# Altium PCB LaserControlBoard (bottom).PcbDoc (part 3 of 3)
Units mm, origin at the board's own origin, x right, y up, seen from the top; angles counter-clockwise.
Board outline 192.5 x 156.5 mm, 2 copper layers (Top Layer, Bottom Layer); 42 components, 313 nets, 114 pads, 1616 vias.
Unrouted connection lines stored in the file: 16.
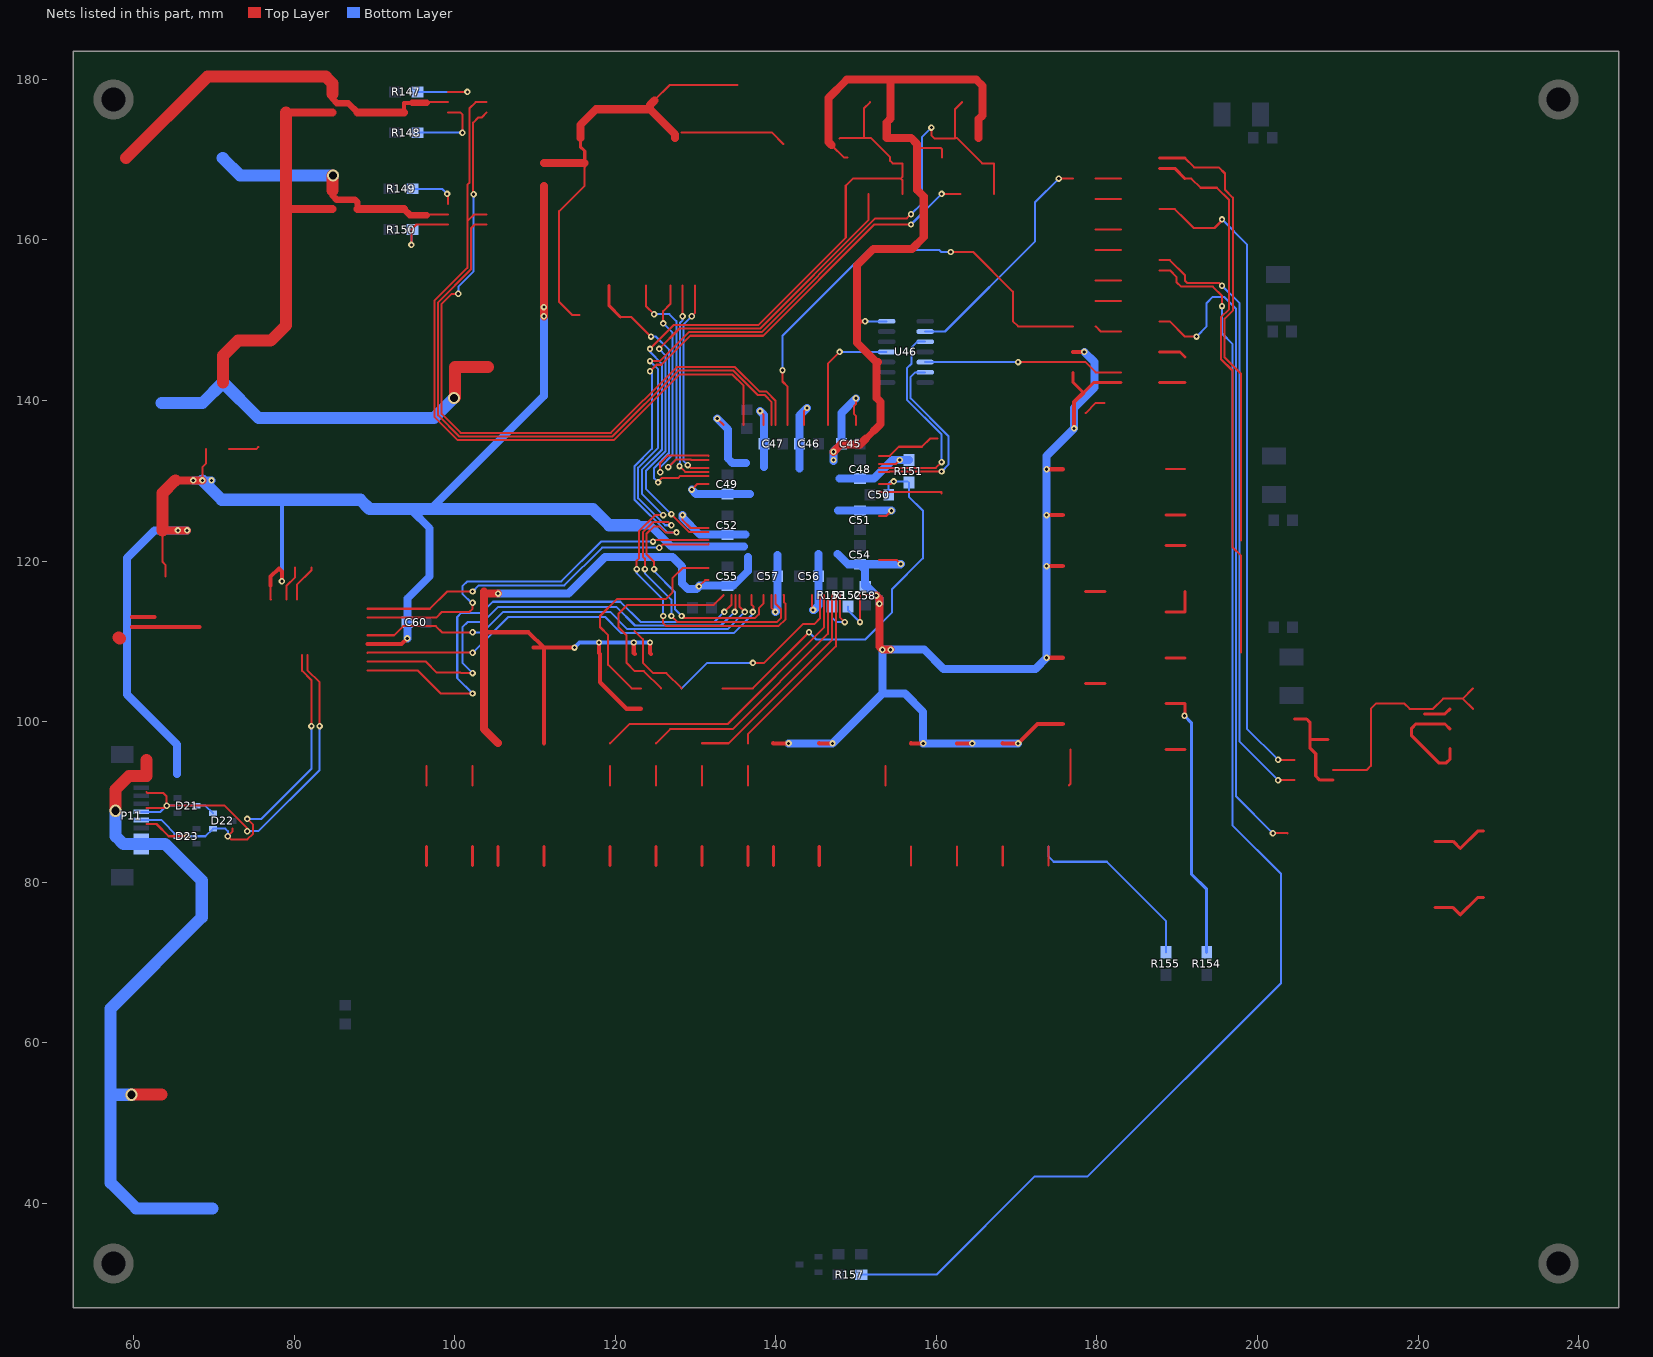
[diagram p3: the nets of this part, all layers, seen from the top]

## Via types
v1: diameter 0.8, hole 0.4, Top Layer to Bottom Layer, tented both sides, 1606 vias
v2: diameter 1.5, hole 1, Top Layer to Bottom Layer, 6 vias
v3: diameter 3, hole 2, Top Layer to Bottom Layer, 2 vias
v4: diameter 0.8, hole 0.4, Top Layer to Bottom Layer, 2 vias

## Nets (pads, with @x,y where several pads share a name; then routed paths per layer and width w, separated by ;. In a path a pad name is that pad's centre, name@x,y a point inside that pad or via, vN(x,y) a via of type N, cw(c..) or ccw(c..) an arc to the next point about the centre after c; other vN are vias at no path point) (continued)
NetR14_1:  | length 56.3
  Top Layer w0.254: 190.98,170.18 192.123,169.037 195.199,169.037 195.961,168.275 195.961,166.243 196.928,165.276 196.928,151.201 195.907,150.18 195.907,145.36 197.965,143.302 197.965,122.555
  Top Layer w0.384: 187.82,170.18 190.98,170.18
NetR16_1: U46.2 | length 29.1
  Top Layer w0.254: v1(175.26,167.64) 177.01,167.64
  Bottom Layer w0.254: U46.2@158.61,148.59 161.083,148.59 172.285,159.792 172.285,164.665 v1(175.26,167.64)
NetR16_2:  | length 3.2
  Top Layer w0.254: 179.86,167.64 183.02,167.64
NetR17_1:  | length 68.1
  Top Layer w0.254: 190.98,167.64 191.77,167.64 192.913,166.497 194.945,166.497 196.474,164.968 196.474,151.389 195.453,150.368 195.453,145.172 196.888,143.737 196.888,121.745 197.965,120.668 197.965,108.585
  Top Layer w0.384: 187.82,168.91 189.71,168.91 190.98,167.64
NetR19_1:  | length 3.2
  Top Layer w0.254: 179.86,165.1 183.02,165.1
NetR20_1:  | length 81.5
  Top Layer w0.254: 187.82,163.83 189.71,163.83 190.98,162.56 192.05,161.49 194.647,161.49 195.58,162.423 v1(195.58,162.56) ; v1(202.565,95.25) 204.61,95.25
  Bottom Layer w0.254: v1(195.58,162.56) 198.685,159.455 198.685,99.13 v1(202.565,95.25)
NetR21_1:  | length 3.2
  Top Layer w0.254: 179.86,161.29 183.02,161.29
NetR23_1:  | length 3.2
  Top Layer w0.254: 179.86,158.75 183.02,158.75
NetR24_1:  | length 76
  Top Layer w0.254: 187.82,157.48 189.075,157.48 190.98,155.575 190.98,154.914 191.262,154.632 195.253,154.632 v1(195.58,154.305) ; v1(202.565,92.71) 204.61,92.71
  Bottom Layer w0.254: v1(195.58,154.305) 197.777,152.108 197.777,97.498 v1(202.565,92.71)
NetR25_1:  | length 3.2
  Top Layer w0.254: 179.86,154.94 183.02,154.94
NetR26_1:  | length 3.2
  Top Layer w0.254: 179.86,152.4 183.02,152.4
NetR30_1:  | length 3.4
  Top Layer w0.254: 179.86,149.225 180.495,148.59 183.02,148.59
NetR33_1:  | length 3.4
  Top Layer w0.384: 187.82,146.05 190.345,146.05 190.98,145.415
NetR35_1: U46.5 | length 24.9
  Top Layer w0.254: v1(170.18,144.78) 178.59,144.78 179.86,143.51 183.02,143.51
  Bottom Layer w0.254: U46.5@158.61,144.78 v1(170.18,144.78)
NetR37_2:  | length 3.2
  Top Layer w0.384: 187.82,142.24 190.98,142.24
NetR38_1:  | length 2.9
  Top Layer w0.254: 178.59,138.43 179.86,139.7 180.975,139.7
NetR40_1:  | length 8.2
  Top Layer w0.254: 152.84,133.115 154.204,133.115 155.328,134.239 158.196,134.239 159.212,135.255 160.175,135.255
NetR41_1:  | length 3.8
  Top Layer w0.254: 71.91,133.985 75.335,133.985 75.565,134.215
NetR44_1:  | length 2.4
  Top Layer w0.254: 188.595,131.445 190.98,131.445
NetR45_1:  | length 8
  Top Layer w0.254: 152.84,128.615 152.863,128.592 160.655,128.592 160.655,128.425
NetR48_1:  | length 2.4
  Top Layer w0.384: 188.595,125.73 190.98,125.73
NetR50_2:  | length 4.5
  Top Layer w0.254: 79.05,115.21 79.05,116.896 80.137,117.983 80.137,119.225
NetR51_1:  | length 4.8
  Top Layer w0.254: 80.35,115.21 80.35,117.053 82.169,118.872 82.169,119.225
NetR52_2:  | length 2.4
  Top Layer w0.384: 188.595,121.92 190.98,121.92
NetR58_1:  | length 2.4
  Top Layer w0.384: 178.59,116.205 180.975,116.205
NetR59_2:  | length 4.9
  Top Layer w0.384: 188.595,113.665 190.98,113.665 190.98,116.205
NetR70_1:  | length 11.4
  Top Layer w0.5: 59.817,111.76 62.605,111.76 68.205,111.76 ; 59.817,113.03 62.605,113.03
  Top Layer w1.5: 58.166,110.49 58.293,110.363
NetR73_1:  | length 2.4
  Top Layer w0.384: 188.595,107.95 190.98,107.95
NetR75_1:  | length 2.4
  Top Layer w0.384: 178.59,104.775 180.975,104.775
NetR76_1:  | length 28.1
  Top Layer w0.254: 209.41,93.98 213.614,93.98 214.122,94.488 214.122,101.6 214.757,102.235 216.09,102.235 218.313,102.235 218.948,101.6 221.869,101.6 223.139,102.87 225.58,102.87 ; 226.85,101.6 225.58,102.87 ; 226.85,104.14 225.58,102.87
NetR81_2: R154.2 | length 34.6
  Top Layer w0.384: 188.595,102.235 190.98,102.235 190.98,100.739 v1(190.909,100.739)
  Bottom Layer w0.384: v1(190.909,100.739) 191.77,99.878 191.77,81.026 193.675,79.121 R154.2@193.675,71.275
NetR82_1:  | length 3.5
  Top Layer w0.384: 220.79,100.965 223.365,100.965 224,101.6
NetR84_2:  | length 13.9
  Top Layer w0.384: 224,96.647 224,95.349 223.52,94.869 222.568,94.869 219.202,98.235 219.202,99.187 219.71,99.695 220.79,99.695 223.365,99.695 224,99.06
NetR87_1:  | length 2.4
  Top Layer w0.254: 96.519,92.075 96.519,94.46
NetR88_1:  | length 2.4
  Top Layer w0.254: 102.235,92.075 102.235,94.46
NetR91_1:  | length 2.4
  Top Layer w0.254: 119.379,92.075 119.379,94.46
NetR92_1:  | length 2.4
  Top Layer w0.254: 125.094,92.075 125.094,94.46
NetR93_1:  | length 2.4
  Top Layer w0.254: 130.809,92.075 130.809,94.46
NetR94_1:  | length 2.4
  Top Layer w0.254: 136.524,92.075 136.524,94.46
NetR97_1:  | length 2.4
  Top Layer w0.254: 153.67,92.075 153.67,94.46
NetR102_1:  | length 4.5
  Top Layer w0.254: 176.53,92.075 176.685,92.23 176.685,96.52
NetR103_1:  | length 2.4
  Top Layer w0.381: 188.595,96.52 190.98,96.52
NetR104_1:  | length 7.3
  Top Layer w0.384: 222.11,85.09 224.381,85.09 225.27,84.201 227.429,86.36 228.12,86.36
NetR106_1:  | length 2.4
  Top Layer w0.384: 96.519,82.07 96.519,84.455
NetR107_1:  | length 2.4
  Top Layer w0.384: 102.235,82.07 102.235,84.455
NetR108_1:  | length 2.4
  Top Layer w0.384: 105.409,82.07 105.409,84.455
NetR109_1:  | length 2.4
  Top Layer w0.384: 111.125,82.07 111.125,84.455
NetR110_1:  | length 2.4
  Top Layer w0.384: 119.379,82.07 119.379,84.455
NetR111_1:  | length 2.4
  Top Layer w0.384: 125.094,82.07 125.094,84.455
NetR112_1:  | length 2.4
  Top Layer w0.384: 130.809,82.07 130.809,84.455
NetR113_1:  | length 2.4
  Top Layer w0.384: 136.524,82.07 136.524,84.455
NetR114_1:  | length 2.4
  Top Layer w0.384: 139.7,82.07 139.7,84.455
NetR115_1:  | length 2.4
  Top Layer w0.384: 145.415,82.07 145.415,84.455
NetR117_1:  | length 2.4
  Top Layer w0.254: 156.845,82.07 156.845,84.455
NetR118_1:  | length 2.4
  Top Layer w0.254: 162.56,82.07 162.56,84.455
NetR119_1:  | length 2.4
  Top Layer w0.254: 168.275,82.07 168.275,84.455
NetR120_2: R155.2 | length 25.5
  Top Layer w0.254: 173.99,82.07 173.99,84.455
  Bottom Layer w0.254: 173.99,84.455 173.99,83.185 174.625,82.55 181.229,82.55 188.595,75.184 R155.2@188.595,71.275
NetR121_1:  | length 7.3
  Top Layer w0.384: 222.11,76.835 224.381,76.835 225.27,75.946 227.429,78.105 228.12,78.105
NetR147_1: R147.1 | length 8.6
  Top Layer w0.254: 99.2,178.435 v1(101.6,178.435)
  Bottom Layer w0.254: R147.1@95.405,178.435 v1(101.6,178.435)
NetR148_1: R148.1 | length 9.7
  Top Layer w0.254: 99.2,175.895 100.711,175.895 100.965,175.641 v1(100.965,173.355)
  Bottom Layer w0.254: R148.1@95.405,173.355 v1(100.965,173.355)
NetR149_2: R149.2 | length 5.9
  Top Layer w0.254: v1(99.06,165.735) 99.2,165.595 99.2,164.465
  Bottom Layer w0.254: R149.2@94.77,166.37 98.425,166.37 v1(99.06,165.735)
NetR150_2: R150.2 | length 8.7
  Top Layer w0.254: v1(94.615,159.385) 94.615,161.29 95.25,161.925 99.2,161.925
  Bottom Layer w0.254: v1(94.615,159.385) 94.615,161.135 R150.2@94.77,161.29
NetR152_2: R152.2 | length 5.9
  Top Layer w0.254: 150.49,115.765 150.49,112.4 v1(150.495,112.395)
  Bottom Layer w0.254: R152.2@148.99,114.34 148.99,113.9 v1(150.495,112.395)
NetR153_2: R153.2 | length 6.8
  Top Layer w0.254: 147.99,115.765 147.99,112.995 v1(148.59,112.395)
  Bottom Layer w0.254: R153.2@146.99,114.34 146.99,112.979 147.574,112.395 v1(148.59,112.395)
NetR157_1: R157.1 | length 165.4
  Top Layer w0.254: 187.82,156.21 189.103,156.21 189.903,155.41 189.903,154.765 190.49,154.178 194.437,154.178 195.58,153.035 v1(195.58,151.765)
  Bottom Layer w0.254: R157.1@150.65,31.115 160.02,31.115 172.257,43.352 178.856,43.352 202.946,67.442 202.946,81.026 196.869,87.103 196.869,147.054 195.58,148.343 v1(195.58,151.765)
"NOT FUSED 5V": P11.1 P11.2 P11.3 | length 88.1
  Top Layer w1.5: v2(57.785,88.9) 57.785,91.567 59.468,93.25 61.595,93.25 61.595,95.25 ; v2(59.749,53.526) 59.749,53.535 63.5,53.535
  Bottom Layer w1.5: v2(57.785,88.9) 57.785,85.725 58.745,84.765 P11.2@60.96,84.765 63.952,84.765 68.505,80.212 68.505,75.617 57.15,64.262 57.15,53.594 ; v2(59.749,53.526) 57.218,53.526 57.15,53.594 ; 69.85,39.37 60.325,39.37 57.15,42.545 57.15,53.594
NRESET: C50.1 R151.2 | length 49.8
  Top Layer w0.254: 133.35,104.14 137.16,104.14 v1(144.145,111.125) ; 152.84,129.615 154.38,129.615 v1(154.686,129.921)
  Bottom Layer w0.254: v1(144.145,111.125) 145.034,110.236 151.13,110.236 154.505,113.611 154.505,114.702 154.502,114.705 154.502,116.522 158.315,120.335 158.315,126.299 156.591,128.023 R151.2@156.591,129.766 ; C50.1@154.015,128.615 154.015,129.615 154.321,129.921 v1(154.686,129.921) R151.2@156.436,129.921
PELTIER: U46.11 | length 15.5
  Top Layer w0.254: 146.49,136.965 146.49,143.142 146.49,144.585 v1(147.955,146.05)
  Bottom Layer w0.254: v1(147.955,146.05) U46.11@153.81,146.05
REF2.5V:  | length 13.7
  Top Layer w0.384: 204.61,100.33 206.121,100.33 206.53,99.921 206.53,97.79 ; 208.76,97.79 206.53,97.79 ; 209.41,92.71 207.772,92.71 207.264,93.218 207.264,96.012 206.53,96.746 206.53,97.79
RELAY1:  | length 36.6
  Top Layer w0.254: 119.379,97.31 121.764,99.695 133.985,99.695 145.99,111.7 145.99,115.765
RELAY2:  | length 31.9
  Top Layer w0.254: 125.094,97.31 126.844,99.06 134.62,99.06 146.49,110.93 146.49,115.765
RELAY3:  | length 27.1
  Top Layer w0.254: 130.809,97.31 134.14,97.31 146.99,110.16 146.99,115.765
RELAY4:  | length 23
  Top Layer w0.254: 136.524,97.31 136.524,98.424 147.49,109.39 147.49,115.765
RS232_DWIN_RX: D21.3 D22.2 P11.6 | length 55
  Top Layer w0.254: 61.595,89.25 63.85,89.25 v1(64.135,89.535) ; 61.595,91.25 61.732,91.113 63.7,91.113 64.135,90.678 v1(64.135,89.535) ; v1(74.168,86.36) 74.168,86.732 72.32,88.58 71.365,89.535 65.475,89.535 v1(64.135,89.535) ; 81.65,108.31 81.65,106.426 83.185,104.891 v1(83.185,99.441)
  Bottom Layer w0.254: P11.6@60.96,88.765 63.365,88.765 v1(64.135,89.535) D21.3@67.875,89.535 68.965,89.535 D22.2@69.92,88.58 ; v1(74.168,86.36) 75.565,86.36 83.185,93.98 v1(83.185,99.441)
RS232_DWIN_TX: D22.1 D23.3 P11.5 | length 50.7
  Top Layer w0.254: 61.595,87.25 62.864,87.25 64.389,85.725 65.475,85.725 v1(66.675,85.725) ; 72.32,86.68 72.32,86.29 v1(71.755,85.725) 72.136,85.344 74.18,85.344 74.895,86.059 74.895,87.157 v1(74.168,87.884) ; 81,108.31 81,106.325 82.169,105.156 v1(82.169,99.441)
  Bottom Layer w0.254: P11.5@60.96,87.765 63.435,87.765 D23.3@65.475,85.725 v1(66.675,85.725) 68.965,85.725 D22.1@69.92,86.68 71.435,86.68 71.755,86.36 v1(71.755,85.725) ; v1(74.168,87.884) 75.946,87.884 82.169,94.107 v1(82.169,99.441)
SDIO_CK:  | length 53
  Top Layer w0.254: 89.126,110.762 92.474,110.762 93.599,111.887 97.663,111.887 98.425,111.125 100.81,111.125 v1(102.235,111.125) ; 135.513,115.742 135.49,115.765 135.49,114.319 v1(136.144,113.665)
  Bottom Layer w0.254: v1(102.235,111.125) 103.505,111.125 106.045,113.665 119.38,113.665 121.523,111.522 134.001,111.522 v1(136.144,113.665)
SDIO_CMD:  | length 54.2
  Top Layer w0.254: 89.126,108.562 89.149,108.585 100.81,108.585 v1(102.235,108.585) ; 136.967,115.742 136.99,115.765 136.99,114.554 137.244,114.3 137.244,113.749 v1(137.16,113.665)
  Bottom Layer w0.254: v1(102.235,108.585) 106.68,113.03 118.745,113.03 120.707,111.068 134.817,111.068 137.16,113.411 v1(137.16,113.665)
SDIO_D0:  | length 50
  Top Layer w0.254: 89.126,112.962 97.722,112.962 98.425,113.665 100.81,113.665 101.854,113.665 102.235,114.046 v1(102.235,114.808) ; v1(124.714,122.428) 124.901,122.615 131.64,122.615
  Bottom Layer w0.254: v1(102.235,114.808) 102.108,114.808 100.965,115.951 100.965,116.84 101.6,117.475 113.284,117.475 118.237,122.428 v1(124.714,122.428)
SDIO_D1:  | length 45.8
  Top Layer w0.254: 89.126,114.062 96.917,114.062 99.06,116.205 100.81,116.205 v1(102.235,116.205) ; v1(125.476,121.666) 125.902,122.092 131.617,122.092 131.64,122.115
  Bottom Layer w0.254: v1(102.235,116.205) 102.997,116.967 113.665,116.967 118.364,121.666 v1(125.476,121.666)
SDIO_D2:  | length 62.7
  Top Layer w0.254: 89.126,106.362 95.441,106.362 98.298,103.505 100.81,103.505 v1(102.235,103.505) ; v1(133.604,113.665) 134.49,114.551 134.49,115.765
  Bottom Layer w0.254: v1(102.235,103.505) 100.33,105.41 100.33,113.03 100.838,113.538 103.378,113.538 104.775,114.935 120.65,114.935 123.155,112.43 132.369,112.43 v1(133.604,113.665)
SDIO_D3:  | length 58.7
  Top Layer w0.254: 89.126,107.462 96.441,107.462 97.79,106.113 100.742,106.113 100.81,106.045 v1(102.235,106.045) ; v1(134.874,113.665) 134.967,113.758 134.967,115.742 134.99,115.765
  Bottom Layer w0.254: v1(102.235,106.045) 100.965,107.315 100.965,111.76 101.604,112.399 103.509,112.399 105.41,114.3 120.142,114.3 122.466,111.976 133.185,111.976 v1(134.874,113.665)
SPI2_MISO: U46.6 | length 24
  Top Layer w0.254: 152.84,131.115 154.139,131.115 154.176,131.152 v1(160.655,131.152)
  Bottom Layer w0.254: U46.6@158.61,143.51 157.353,143.51 156.791,142.948 156.791,140.269 161.544,135.516 161.544,132.041 v1(160.655,131.152)
SPI2_MOSI: U46.3 | length 26.4
  Top Layer w0.254: 152.84,131.615 159.936,131.615 v1(160.655,132.334)
  Bottom Layer w0.254: U46.3@158.61,147.32 157.635,147.32 156.929,146.613 156.929,144.61 156.337,144.018 156.337,140.081 160.655,135.763 v1(160.655,132.334)
SPK_OUT1:  | length 48.5
  Top Layer w0.254: 96.52,177.07 96.615,177.165 99.2,177.165
  Top Layer w0.5: 93.705,175.895 93.705,177.07 94.742,177.07
  Top Layer w0.8: 84.815,178.195 84.815,177.567 85.344,177.038 86.762,177.038 87.905,175.895 ; 94.742,177.07 96.52,177.07
  Top Layer w1: 87.905,175.895 93.705,175.895
  Top Layer w1.5: 59.055,170.18 69.215,180.34 83.947,180.34 84.815,179.472 84.815,178.195
SPK_OUT2:  | length 33.1
  Top Layer w0.254: 96.52,163.1 96.615,163.195 99.2,163.195
  Top Layer w0.8: 84.815,166.13 84.815,165.502 85.287,165.03 87.573,165.03 87.905,164.698 87.905,163.83 ; 93.705,163.83 94.435,163.1 96.52,163.1
  Top Layer w1: 87.905,163.83 93.705,163.83
  Top Layer w1.5: 84.815,166.13 84.815,168 v2(84.836,168.021)
  Bottom Layer w1.5: 71.12,170.18 73.279,168.021 v2(84.836,168.021)
SWCLK:  | length 26.2
  Top Layer w0.254: 125.73,104.14 123.571,106.299 122.428,106.299 121.412,107.315 121.412,110.772 120.396,111.788 120.396,113.411 121.539,114.554 132.279,114.554 133.49,115.765
SWDIO:  | length 28.8
  Top Layer w0.254: 123.19,104.14 122.047,104.14 119.126,107.061 119.126,110.772 118.11,111.788 118.11,113.157 120.22,115.267 126.316,115.267 127.127,116.078 127.127,117.863 128.39,119.126 131.629,119.126 131.64,119.115
SWO:  | length 34.2
  Top Layer w0.254: 122.428,111.28 123.444,110.264 123.444,108.331 123.458,108.317 123.458,107.353 124.766,106.045 126.365,106.045 128.27,104.14 ; v1(137.16,107.315) 138.557,107.315 143.383,112.141 144.78,112.141 145.49,112.851 145.49,115.765
  Bottom Layer w0.254: 128.27,104.14 131.445,107.315 v1(137.16,107.315)
TIM1_CH1:  | length 77.7
  Top Layer w0.254: 104,161.925 102.489,161.925 102.041,161.477 102.041,156.335 97.939,152.233 97.939,138.154 100.576,135.517 119.642,135.517 127.835,143.71 134.735,143.71 137.764,140.681 138.604,140.681 139.49,139.795 139.49,136.965
TIM1_CH1N:  | length 91.3
  Top Layer w0.254: v4(100.457,153.289) 99.637,153.289 98.393,152.045 98.393,138.342 100.764,135.971 119.454,135.971 127.647,144.164 134.923,144.164 137.952,141.135 138.792,141.135 139.99,139.937 139.99,136.965 ; v4(102.362,165.681) 102.308,165.735 102.308,174.62 102.94,175.252 103.357,175.252 104,175.895
  Bottom Layer w0.254: v4(100.457,153.289) 100.457,154.178 102.362,156.083 v4(102.362,165.681)
TIM1_CH2: 
TIM1_CH2N: 
TIM1_CH3: 
TIM1_CH3N: 
TIM1_CH4:  | length 94
  Top Layer w0.254: 104,163.195 102.476,163.195 101.587,162.306 ; 104,177.165 102.616,177.165 101.854,176.403 101.854,167.132 101.587,166.865 101.587,162.306 ; 135.99,136.965 135.99,141.813 134.547,143.256 128.023,143.256 119.83,135.063 100.388,135.063 97.485,137.966 97.485,152.422 101.587,156.524 101.587,162.306
USART1_CTS: 
USART1_RTS: 
USART2_CTS: 
USART2_RTS: 
USART2_RX:  | length 128.4
  Top Layer w0.254: v1(123.698,118.999) 123.698,120.3 123.444,120.554 123.444,123.571 124.714,124.841 126.619,124.841 v1(127,124.46) ; v1(124.333,144.907) 125.561,144.907 129.171,148.517 138.237,148.517 152.407,162.687 156.337,162.687 v1(156.845,163.195) ; v1(127,113.157) 127.727,112.43 140.173,112.43 140.681,112.938 140.681,113.966 139.99,114.657 139.99,115.765 ; v1(159.385,173.99) 159.385,173.031 159.766,172.65 162.335,172.65 ; 163.195,177.165 162.335,176.305 162.335,172.65 ; 167.2,165.735 167.2,169.545 165.712,169.545 162.537,172.72 162.405,172.72 162.335,172.65
  Bottom Layer w0.254: v1(123.698,118.999) 123.698,118.491 127,115.189 v1(127,113.157) ; v1(124.333,144.907) 125.349,143.891 125.349,134.112 122.863,131.626 122.863,127.823 126.226,124.46 v1(127,124.46) ; v1(156.845,163.195) 158.242,164.592 158.242,172.847 v1(159.385,173.99)
USART2_TX:  | length 100.8
  Top Layer w0.254: v1(124.333,143.637) 125.149,144.453 125.749,144.453 129.359,148.063 138.425,148.063 152.287,161.925 v1(156.845,161.925) ; v1(124.841,118.999) 124.841,119.888 123.898,120.831 123.898,123.383 124.848,124.333 125.482,124.333 126.244,123.571 v1(127.635,123.571) ; v1(128.27,113.157) 128.512,112.915 137.439,112.915 137.887,113.364 137.887,114.138 138.49,114.741 138.49,115.765 ; v1(160.655,165.735) 163,165.735
  Bottom Layer w0.254: v1(124.333,143.637) 124.568,143.402 124.568,133.973 122.409,131.814 122.409,127.635 126.473,123.571 v1(127.635,123.571) ; v1(124.841,118.999) 124.841,118.745 127.454,116.132 127.454,113.973 v1(128.27,113.157) ; v1(156.845,161.925) v1(160.655,165.735)
USART3_CTS:  | length 25.9
  Top Layer w0.254: v1(129.032,131.949) 129.032,131.953 129.37,131.615 131.64,131.615 ; v1(129.54,150.495) 129.921,150.876 129.921,154.305
  Bottom Layer w0.254: v1(129.032,131.949) 128.524,132.457 128.524,132.793 128.527,132.796 128.527,148.989 128.524,148.992 128.524,149.479 v1(129.54,150.495)
USART3_RTS:  | length 26.7
  Top Layer w0.254: v1(128.016,131.826) 128.727,131.115 131.64,131.115 ; v1(128.397,150.495) 128.397,154.305
  Bottom Layer w0.254: v1(128.016,131.826) 127.889,131.953 127.889,132.08 128.07,132.261 128.07,132.981 128.073,132.984 128.073,148.801 128.07,148.804 128.07,149.667 128.397,149.994 v1(128.397,150.495)
USART3_RX:  | length 31.2
  Top Layer w0.254: 123.825,154.305 123.825,151.765 v1(124.841,150.749) ; v1(126.619,131.699) 127.596,132.676 129.415,132.676 129.476,132.615 131.64,132.615
  Bottom Layer w0.254: v1(124.841,150.749) 126.746,150.749 127.619,149.876 127.619,149.858 127.616,149.855 127.616,148.616 127.619,148.613 127.619,133.172 127.616,133.169 127.616,132.696 v1(126.619,131.699)
USART3_TX:  | length 32.3
  Top Layer w0.254: v1(125.603,131.064) 125.603,132.207 126.526,133.13 131.625,133.13 131.64,133.115 ; v1(125.984,149.606) 125.984,151.13 126.873,152.019 126.873,154.305
  Bottom Layer w0.254: v1(125.603,131.064) 125.603,131.711 127.162,133.27 127.162,133.357 127.165,133.36 127.165,146.52 127.165,148.425 v1(125.984,149.606)
USART6_RX:  | length 121.1
  Top Layer w0.254: v1(122.682,118.999) 122.682,120.058 122.99,120.366 122.99,123.759 124.961,125.73 v1(125.984,125.73) ; v1(124.333,146.431) 127.327,149.425 137.861,149.425 148.717,160.281 148.717,166.751 149.606,167.64 155.575,167.64 ; v1(125.984,113.157) 125.984,112.268 126.365,111.887 140.335,111.887 141.224,112.776 141.224,114.681 141.013,114.892 141.013,115.742 140.99,115.765 ; 147.955,172.65 148.025,172.72 150.975,172.72 ; 151.765,177.165 150.975,176.375 150.975,172.72 ; 155.77,165.735 155.77,167.445 155.575,167.64 ; 150.975,172.72 151.846,172.72 154.251,170.315 154.251,169.853 154.559,169.545 155.77,169.545 155.77,167.835 155.575,167.64
  Bottom Layer w0.254: v1(122.682,118.999) 122.682,118.491 125.984,115.189 v1(125.984,113.157) ; v1(124.333,146.431) 124.333,146.05 125.803,144.58 125.803,133.924 125.8,133.921 125.8,133.834 123.317,131.351 123.317,128.397 v1(125.984,125.73)
USART6_TX:  | length 64.8
  Top Layer w0.254: v1(125.476,146.431) 128.016,148.971 138.049,148.971 151.57,162.492 151.57,165.735 ; v1(127,125.857) 129.242,123.615 131.64,123.615
  Bottom Layer w0.254: v1(125.476,146.431) 126.257,145.65 126.257,133.736 126.254,133.733 126.254,133.646 123.825,131.217 123.825,129.032 v1(127,125.857)
V5V_IMON: 
V5V_VMON: 
VCC: C45.1 C46.1 C47.1 C48.1 C49.1 C51.1 C52.2 C54.1 C55.1 C56.1 C57.1 C58.1 C60.1 R151.1 U46.14 | length 710.8
  Top Layer w0.254: 63.574,127.315 63.635,127.254 ; 63.635,123.825 63.635,119.88 63.98,119.535 63.98,118.11 ; v1(68.58,130.048) 68.58,131.699 69.06,132.179 69.06,133.985 ; 77.075,116.981 77.089,116.967 77.089,115.221 77.1,115.21 ; v1(128.397,125.73) 128.397,125.102 129.384,124.115 131.64,124.115 ; v1(129.54,128.905) 130.25,129.615 131.64,129.615 ; v1(130.429,116.84) 131.204,117.615 131.64,117.615 ; v1(132.715,137.74) 133.49,136.965 ; v1(138.049,138.684) 138.49,138.243 138.49,136.965 ; 139.49,115.765 139.49,114.129 v1(139.954,113.665) ; 143.49,136.965 143.49,138.664 v1(143.891,139.065) ; 144.49,115.765 144.49,114.082 v1(144.653,113.919) ; 146.937,171.829 148.515,170.25 148.905,170.25 ; v1(149.987,140.27) 149.987,139.547 149.718,139.278 149.718,138.362 149.99,138.09 149.99,136.965 ; 150.99,115.765 v1@152.459,115.765 ; 152.84,120.115 155.094,120.115 v1(155.575,119.634) ; 152.84,125.615 153.747,125.615 v1(154.402,126.27) ; 152.84,132.115 154.975,132.115 v1(155.448,132.588) ; 157.607,171.45 160.528,171.45 160.716,171.262 160.716,170.25
  Top Layer w0.384: 111.113,106.795 111.125,106.807 ; 177.01,143.51 177.01,142.3 178.34,140.97 179.61,142.24 183.02,142.24
  Top Layer w0.5: 77.075,116.981 77.075,118.064 78.105,119.094 78.486,118.713 v1(78.486,117.475) ; 89.126,109.662 93.406,109.662 v1(94.107,110.363) ; 109.855,109.208 111.113,109.208 111.125,109.22 ; 150.082,149.86 150.114,149.86 v1(151.13,149.86)
  Top Layer w0.524: 103.66,111.125 109.22,111.125 111.125,109.22 ; 111.125,97.31 111.125,106.807 111.125,109.22 ; v1(114.935,109.22) 111.125,109.22 ; 117.983,108.557 v1(117.983,109.855) ; 118.11,108.43 118.11,104.902 121.412,101.6 123.19,101.6 ; v1(122.301,109.855) 122.301,108.557 122.428,108.43 ; v1(124.333,109.855) 124.333,108.557 124.46,108.43 ; 139.7,97.31 139.728,97.282 v1(141.605,97.282) ; 145.415,97.31 145.443,97.282 v1(147.066,97.282) ; 156.845,97.31 156.873,97.282 v1(158.369,97.282) ; 162.588,97.282 v1(164.465,97.282) ; 168.275,97.31 168.303,97.282 v1(170.18,97.282) 172.593,99.695 175.74,99.695 ; v1(173.736,107.95) 175.74,107.95 ; v1(173.736,119.38) 175.74,119.38 ; v1(173.736,125.73) 175.74,125.73 ; v1(173.736,131.445) 175.74,131.445 ; 177.01,146.05 v1(178.435,146.05) ; v1(177.165,136.525) 177.165,139.795 178.34,140.97
  Top Layer w0.8: 151.257,135.268 152.26,136.271
  Top Layer w1: 63.635,123.825 v1(65.532,123.825) v1(66.675,123.825) ; 65.207,130.048 v1(67.437,130.048) v1(68.58,130.048) ; 103.66,116.205 103.66,113.665 103.66,111.125 103.66,108.585 103.66,106.045 103.66,103.505 103.66,99.059 105.409,97.31 ; 103.914,115.951 v1(105.41,115.951) ; v1(111.125,150.495) v1(111.125,151.638) 111.125,166.723 ; 146.937,171.829 146.558,172.207 146.558,177.673 148.844,179.959 154.305,179.959 ; v1(147.193,133.604) 148.082,134.493 150.482,134.493 151.257,135.268 ; 152.26,136.271 153.035,137.046 153.035,139.835 152.535,140.335 152.535,144.605 152.71,144.78 152.527,144.78 150.114,147.193 150.114,148.336 150.114,149.86 150.114,156.845 152.146,158.877 156.972,158.877 158.435,160.34 158.435,165.415 157.607,166.243 157.607,171.45 157.607,171.958 156.845,172.72 153.825,172.72 153.825,174.653 154.305,175.133 154.305,177.165 154.305,179.959 ; v1(152.527,115.697) 152.908,115.316 v1(152.908,114.681) 152.908,109.347 v1(153.289,108.966) v1(154.305,108.966) ; 165.255,172.72 165.255,175.034 165.735,175.514 165.735,177.165 165.735,179.197 164.973,179.959 154.305,179.959
  Top Layer w1.5: 63.635,123.825 63.635,127.254 63.635,128.476 65.207,130.048
  Bottom Layer w0.254: v1(151.13,149.86) U46.14@153.81,149.86
  Bottom Layer w0.5: v1(78.486,117.475) 78.486,127.254 ; v1@94.107,110.109 v1(94.107,110.363)
  Bottom Layer w0.524: v1(114.935,109.22) 115.57,109.855 v1(117.983,109.855) v1(122.301,109.855) v1(124.333,109.855)
  Bottom Layer w1: 65.405,93.472 65.405,97.155 59.182,103.378 59.182,120.396 62.611,123.825 v1(65.532,123.825) v1(66.675,123.825) ; v1(67.437,130.048) v1(68.58,130.048) v1(69.723,130.048) ; v1(94.107,110.363) 94.107,115.316 96.901,118.11 96.901,124.079 94.615,126.365 ; 97.091,126.555 111.125,140.589 v1(111.125,150.495) v1(111.125,151.638) ; v1(105.41,115.951) 114.173,115.951 118.745,120.523 127.127,120.523 128.34,119.31 128.34,117.232 129.043,116.529 130.118,116.529 v1(130.429,116.84) 130.524,116.935 C55.1@133.985,116.935 134.715,116.935 136.515,118.735 136.515,120.513 ; 122.682,124.46 124.333,124.46 127,121.793 136.017,121.793 ; v1(128.397,125.73) 128.397,125.43 130.542,123.285 C52.2@133.985,123.285 136.239,123.285 ; v1(129.54,128.905) 130.08,128.365 C49.1@133.985,128.365 136.811,128.365 ; v1(132.715,137.74) 134.08,136.375 134.08,132.747 134.62,132.207 136.271,132.207 ; v1(138.049,138.684) 138.525,138.208 C47.1@138.525,134.62 138.525,131.731 ; v1(139.954,113.665) 140.24,113.951 C57.1@140.24,118.11 140.24,120.745 140.208,120.777 ; v1(141.605,97.282) v1(147.066,97.282) 153.289,103.505 ; 142.97,131.54 C46.1@142.97,134.62 142.97,138.144 v1(143.891,139.065) ; v1(144.653,113.919) 144.78,113.919 145.32,114.459 C56.1@145.32,118.11 145.32,120.872 ; v1@147.193,132.461 v1(147.193,132.588) v1(147.193,133.604) 147.193,133.636 C45.1@148.177,134.62 148.177,138.46 v1(149.987,140.27) ; 147.701,120.904 149.003,119.602 C54.1@150.495,119.602 ; 147.733,126.27 C51.1@150.495,126.27 v1(154.402,126.27) ; 147.923,130.27 C48.1@150.495,130.27 152.241,130.27 154.559,132.588 v1(155.448,132.588) 156.563,132.588 R151.1@156.591,132.616 ; v1(152.908,114.681) 152.908,115.316 v1(152.527,115.697) 151.352,116.872 C58.1@151.13,116.872 151.13,118.967 C54.1@150.495,119.602 ; v1(155.575,119.634) 155.543,119.602 C54.1@150.495,119.602 ; v1@170.167,97.269 170.153,97.282 v1(164.465,97.282) v1(158.369,97.282) 158.369,101.219 156.083,103.505 153.289,103.505 ; v1(178.435,146.05) 179.705,144.78 179.705,141.605 177.165,139.065 v1(177.165,136.525) 173.736,133.096 v1(173.736,131.445) v1(173.736,125.73) v1(173.736,119.38) v1(173.736,107.95) 172.339,106.553 160.909,106.553 158.496,108.966 v1(154.305,108.966) v1(153.289,108.966) 153.289,103.505
  Bottom Layer w1.5: v1(68.58,130.048) 70.993,127.635 88.265,127.635 89.408,126.492 117.221,126.492 119.253,124.46 122.682,124.46
VDC:  | length 99.2
  Top Layer w1: 79.015,163.83 84.815,163.83 ; 79.015,175.895 84.815,175.895
  Top Layer w1.5: 71.16,142.24 71.16,145.582 73.025,147.447 77.089,147.447 79.015,149.373 79.015,163.83 79.015,175.895 ; v2(99.949,140.335) 100.02,140.406 100.02,144.145 104.14,144.145
  Bottom Layer w1.5: 63.5,139.7 68.62,139.7 71.16,142.24 75.605,137.795 97.409,137.795 v2(99.949,140.335)
VDD_IMON: 
VDD_VMON: 
VM_CSN:  | length 58.1
  Top Layer w0.254: v1(140.843,143.764) 140.843,142.367 141.49,141.72 141.49,136.965 ; v1(161.798,158.496) 164.592,158.496 169.545,153.543 169.545,149.86 170.18,149.225 177.01,149.225
  Bottom Layer w0.254: v1(140.843,143.764) 140.843,148.078 151.515,158.75 160.354,158.75 160.608,158.496 v1(161.798,158.496)
VMON_NCS:  | length 83.7
  Top Layer w0.254: 187.82,149.86 189.075,149.86 190.98,147.955 v1(192.405,147.955) ; v1(201.93,86.106) 203.724,86.106 203.765,86.065
  Bottom Layer w0.254: v1(192.405,147.955) 193.675,149.225 193.675,152.146 194.437,152.908 195.834,152.908 197.323,151.419 197.323,90.713 v1(201.93,86.106)
WIFI3V3:  | length 72
  Top Layer w0.254: 115.57,150.65 114.653,150.65 113.03,152.273 113.03,163.576 116.205,166.751 116.205,169.175 ; 124.886,177.374 126.823,179.312 130.175,179.312 132.715,179.312 135.255,179.312 ; 128.27,173.355 139.545,173.355 140.97,171.93
  Top Layer w0.384: 115.665,172.72 115.665,171.609 116.205,171.069 116.205,169.175
  Top Layer w1: 111.125,169.573 116.177,169.573 ; 115.665,172.72 115.665,174.339 117.602,176.276 124.33,176.276 ; 124.886,177.374 124.33,176.819 124.33,176.276 ; 127.452,172.72 127.452,173.154 124.33,176.276
WIFI_RST:  | length 36.5
  Top Layer w0.254: 120.65,150.4 122.015,150.4 v1(124.46,147.955) ; v1(125.349,129.794) 125.349,129.921 125.765,130.337 127.851,130.337 128.129,130.615 131.64,130.615
  Top Layer w0.384: 119.253,154.305 119.253,151.797 120.65,150.4
  Bottom Layer w0.254: v1(124.46,147.955) 125.088,147.955 126.711,146.332 126.711,133.548 126.708,133.545 126.708,133.458 124.841,131.591 124.841,130.302 v1(125.349,129.794)
pads on no net: P11.4 P11.7 P11.11 P11.12

## Polygon pours and split planes (outlines as drawn)
IGND on Top Layer "Mechanical 4-No Net" (solid, pour order 20): 80.645,44.45 82.55,42.545 82.55,32.385 85.09,29.845 230.505,29.845 230.505,36.195 234.95,40.64 242.57,40.64 242.57,106.68 241.935,107.315 214.63,107.315 210.82,111.125 210.82,182.88 187.325,182.88 187.325,94.615 178.435,85.725 91.44,85.725 80.645,74.93
GND on Top Layer "Mechanical 2-No Net" (solid, pour order 23): 68.58,60.325 68.58,67.31 77.47,76.2 92.075,90.805 177.165,90.805 182.245,95.885 182.245,182.88 63.5,182.88 63.5,175.895 59.69,172.085 52.705,172.085 52.705,29.21 72.39,29.21 72.39,41.275 69.215,44.45 69.215,59.69
IGND on Bottom Layer "Mechanical 4-No Net 1" (solid, pour order 19): 80.645,44.45 82.55,42.545 82.55,32.385 85.09,29.845 230.505,29.845 230.505,36.195 234.95,40.64 242.57,40.64 242.57,106.68 241.935,107.315 214.63,107.315 210.82,111.125 210.82,182.88 187.325,182.88 187.325,94.615 178.435,85.725 91.44,85.725 80.645,74.93
GND on Bottom Layer "Mechanical 2-No Net 1" (solid, pour order 21): 68.58,60.325 68.58,67.31 77.47,76.2 92.075,90.805 177.165,90.805 182.245,95.885 182.245,182.88 63.5,182.88 63.5,175.895 59.69,172.085 52.705,172.085 52.705,29.21 72.39,29.21 72.39,41.275 69.215,44.45 69.215,59.69

## Keep-outs
Keep-Out Layer:
  the board outline again, w0.254

## Other copper
Top Layer:
  rectangle net GND: 120.65,157.226 131.572,166.116
  rectangle net GND: 113.665,173.99 114.935,175.26
  rectangle net GND: 152.654,168.91 153.924,170.18
  rectangle net GND: 121.92,145.669 123.19,146.939
  rectangle net GND: 120.015,145.669 121.285,146.939
  rectangle net GND: 121.031,132.69 122.936,133.985
  rectangle net GND: 120.777,131.445 122.047,132.715
  rectangle net GND: 63.5,91.44 64.77,92.71
  rectangle net GND: 119.38,99.06 120.65,100.33
  rectangle net GND: 106.045,100.965 107.315,102.235
  rectangle net GND: 100.33,100.965 101.6,102.235
  rectangle net GND: 99.06,95.885 100.33,97.155
  rectangle net GND: 72.39,103.505 74.422,105.537
  rectangle net GND: 137.16,108.585 138.43,109.855
  rectangle net GND: 132.08,109.22 133.35,110.49
  rectangle net GND: 114.3,111.125 115.57,112.395
  rectangle net GND: 107.315,108.585 108.585,109.855
  rectangle net GND: 75.565,118.745 76.835,120.015
  rectangle net GND: 72.39,82.55 74.93,83.82
  rectangle net GND: 79.756,86.741 81.915,88.9
  rectangle net WIFI3V3: 120.142,176.657 121.031,177.292
  rectangle net NetL1_2: 120.142,179.07 121.031,180.213
  rectangle net NetP3_7: 219.075,157.48 230.505,180.975
  rectangle net NetP3_5: 219.075,133.35 230.505,156.718
  rectangle net GND: 136.144,120.269 146.05,132.461
  rectangle net 5V: 56.515,101.6 63.119,105.537
  rectangle net NetR70_1: 56.642,107.442 60.198,113.919
  rectangle net NetD9_2: 67.183,120.142 69.977,122.428
  rectangle net VCC: 66.675,129.286 70.485,130.81
  rectangle net GND: 146.05,120.269 148.336,131.445
  rectangle net VCC: 146.558,131.953 147.828,134.239
  pour cut-out: 89.916,105.791 98.806,105.791 98.806,114.998 89.916,114.998
Bottom Layer:
  rectangle net GND: 121.412,157.734 131.318,166.116
  rectangle net "NOT FUSED 5V": 60.325,83.82 61.595,85.725
  rectangle net GND: 110.49,175.895 111.76,177.165
  rectangle net GND: 113.665,173.99 114.935,175.26
  rectangle net GND: 152.654,168.91 153.924,170.18
  rectangle net GND: 159.639,168.148 160.909,169.418
  rectangle net GND: 121.92,145.669 123.19,146.939
  rectangle net GND: 120.015,145.669 121.285,146.939
  rectangle net GND: 121.666,132.715 122.682,133.985
  rectangle net GND: 120.777,131.445 122.057,132.715
  rectangle net GND: 137.16,108.585 138.43,109.855
  rectangle net GND: 63.5,91.44 64.77,92.71
  rectangle net GND: 95.25,109.855 96.52,111.125
  rectangle net GND: 119.38,99.06 120.65,100.33
  rectangle net GND: 106.045,100.965 107.315,102.235
  rectangle net GND: 100.33,100.965 101.6,102.235
  rectangle net GND: 99.06,95.885 100.33,97.155
  rectangle net GND: 114.3,111.125 115.57,112.395
  rectangle net GND: 107.315,108.585 108.585,109.855
  rectangle net GND: 75.565,118.745 76.835,120.015
  rectangle net GND: 72.39,103.505 74.422,105.537
  rectangle net GND: 79.756,86.741 81.915,88.9
  rectangle net GND: 72.39,82.55 74.93,83.82
  rectangle net VCC: 135.89,120.015 148.59,132.715
  rectangle net NetD9_2: 67.183,120.142 69.977,122.428
  rectangle net VCC: 66.675,129.286 70.485,130.81

## Silkscreen, mask and mechanical layers (free items; w line width, h text height)
Mechanical 2:
  lines w0.127: 72.39,29.21 52.705,29.21 52.705,172.085 59.69,172.085 63.5,175.895 63.5,182.88 182.245,182.88 182.245,140.97 182.245,95.885 177.165,90.805 92.075,90.805 77.47,76.2
  lines w0.254: 72.39,29.21 72.39,41.275 69.215,44.45 69.215,59.69 68.58,60.325 68.58,63.881 68.58,67.31 77.47,76.2
Mechanical 3:
  lines w0.127: 84.455,104.775 84.455,114.3 93.345,114.3 93.345,104.775 84.455,104.775
Mechanical 4:
  lines w0.127: 91.44,85.725 178.435,85.725 187.325,94.615 187.325,182.88 210.82,182.88 210.82,111.125 214.63,107.315 241.935,107.315 242.57,106.68 242.57,52.07
  lines w0.254: 91.44,85.725 80.645,74.93 80.645,56.515 80.645,44.45 82.55,42.545 82.55,32.385 85.09,29.845 230.505,29.845 230.505,36.195 234.95,40.64 242.57,40.64 242.57,52.07
Mechanical 13:
  circle w0.1: c57.5,32.5 r1.5
  circle w0.1: c237.5,32.5 r1.5
  circle w0.1: c237.5,177.5 r1.5
  circle w0.1: c57.5,177.5 r1.5
  lines w0.1: 52.5,32.5 62.5,32.5 ; 52.5,177.5 62.5,177.5 ; 57.5,27.5 57.5,37.5 ; 57.5,172.5 57.5,182.5 ; 154.26,141.986 152.781,141.986 152.781,142.494 154.26,142.494 ; 154.26,143.256 152.781,143.256 152.781,143.764 154.26,143.764 ; 154.26,144.526 152.781,144.526 152.781,145.034 154.26,145.034 ; 154.26,145.796 152.781,145.796 152.781,146.304 154.26,146.304 ; 154.26,147.066 152.781,147.066 152.781,147.574 154.26,147.574 ; 154.26,148.336 152.781,148.336 152.781,148.844 154.26,148.844 ; 154.26,149.606 152.781,149.606 152.781,150.114 154.26,150.114 ; 158.16,141.986 159.639,141.986 159.639,142.494 158.16,142.494 ; 158.16,143.256 159.639,143.256 159.639,143.764 158.16,143.764 ; 158.16,144.526 159.639,144.526 159.639,145.034 158.16,145.034 ; 158.16,145.796 159.639,145.796 159.639,146.304 158.16,146.304 ; 158.16,147.066 159.639,147.066 159.639,147.574 158.16,147.574 ; 158.16,148.336 159.639,148.336 159.639,148.844 158.16,148.844 ; 158.16,149.606 159.639,149.606 159.639,150.114 158.16,150.114 ; 232.5,32.5 242.5,32.5 ; 232.5,177.5 242.5,177.5 ; 237.5,27.5 237.5,37.5 ; 237.5,172.5 237.5,182.5 ; 54.61,79.375 54.61,97.155 62.23,97.155 62.23,79.375 54.61,79.375
  lines w0.127: 66.04,88.392 65.151,88.392 65.151,88.773 66.04,88.773 ; 66.04,90.297 65.151,90.297 65.151,90.678 66.04,90.678 ; 66.167,85.471 65.151,85.471 65.151,85.979 66.167,85.979 ; 67.183,89.281 68.199,89.281 68.199,89.789 67.183,89.789 ; 67.31,84.582 68.199,84.582 68.199,84.963 67.31,84.963 ; 67.31,86.487 68.199,86.487 68.199,86.868 67.31,86.868 ; 70.485,86.487 69.596,86.487 69.596,86.868 70.485,86.868 ; 70.485,88.392 69.596,88.392 69.596,88.773 70.485,88.773 ; 71.628,87.376 72.644,87.376 72.644,87.884 71.628,87.884 ; 143.637,32.131 142.621,32.131 142.621,32.639 143.637,32.639 ; 144.78,31.242 145.669,31.242 145.669,31.623 144.78,31.623 ; 144.78,33.147 145.669,33.147 145.669,33.528 144.78,33.528 ; 52.5,27.051 52.5,183.422 52.578,183.5 244.983,183.5 244.983,27.068 244.966,27.051 52.5,27.051 ; 66.04,88.138 66.04,90.932 67.183,90.932 67.183,88.138 66.04,88.138 ; 66.167,84.328 66.167,87.122 67.31,87.122 67.31,84.328 66.167,84.328 ; 70.485,86.233 70.485,89.027 71.628,89.027 71.628,86.233 70.485,86.233 ; 143.637,30.988 144.78,30.988 144.78,33.782 143.637,33.782 143.637,30.988
  text "1" at 160.147,149.733 h0.8
Mechanical 15:
  lines w0.064: 97.409,168.783 105.791,168.783 105.791,172.847 97.409,172.847 97.409,168.783 ; 97.536,155.448 105.664,155.448 105.664,159.512 97.536,159.512 97.536,155.448
  lines w0.127: 101.092,157.48 102.108,157.48 ; 101.092,170.815 102.108,170.815 ; 101.6,156.972 101.6,157.988 ; 101.6,170.307 101.6,171.323 ; 52.5,27 244.983,27 244.983,183.5 52.5,183.5 52.5,27 ; 53.34,137.16 66.294,137.16 66.294,157.353 66.167,157.48 53.34,157.48 53.34,137.16 ; 230.886,107.315 243.713,107.315 243.713,127.635 230.886,127.635 230.886,107.315 ; 230.886,129.54 243.713,129.54 243.713,170.18 230.886,170.18 230.886,129.54

## Dimensions
52.5,183.422 to 57.5,182.5 on Mechanical 13
52.578,183.5 to 52.5,177.5 on Mechanical 13
52.5,177.5 to 57.5,32.5 on Mechanical 13
57.5,32.5 to 237.5,32.5 on Mechanical 13
237.5,177.5 to 237.5,32.5 on Mechanical 13
57.5,182.804 to 237.5,177.5 on Mechanical 13
245,183.5 to 245,27 on Mechanical 13
52.5,183.5 to 245,183.5 on Mechanical 13
57.5,32.5 to 237.5,32.5 on Mechanical 5
57.5,177.5 to 57.5,32.5 on Mechanical 5
237.5,177.5 to 237.5,32.5 on Mechanical 5
57.5,177.5 to 237.5,177.5 on Mechanical 5
245,183.5 to 245,27 on Mechanical 5
52.5,183.5 to 245,183.5 on Mechanical 5